# Allegro board IMX7D EVK BOARD REV D_160314.brd (continued)
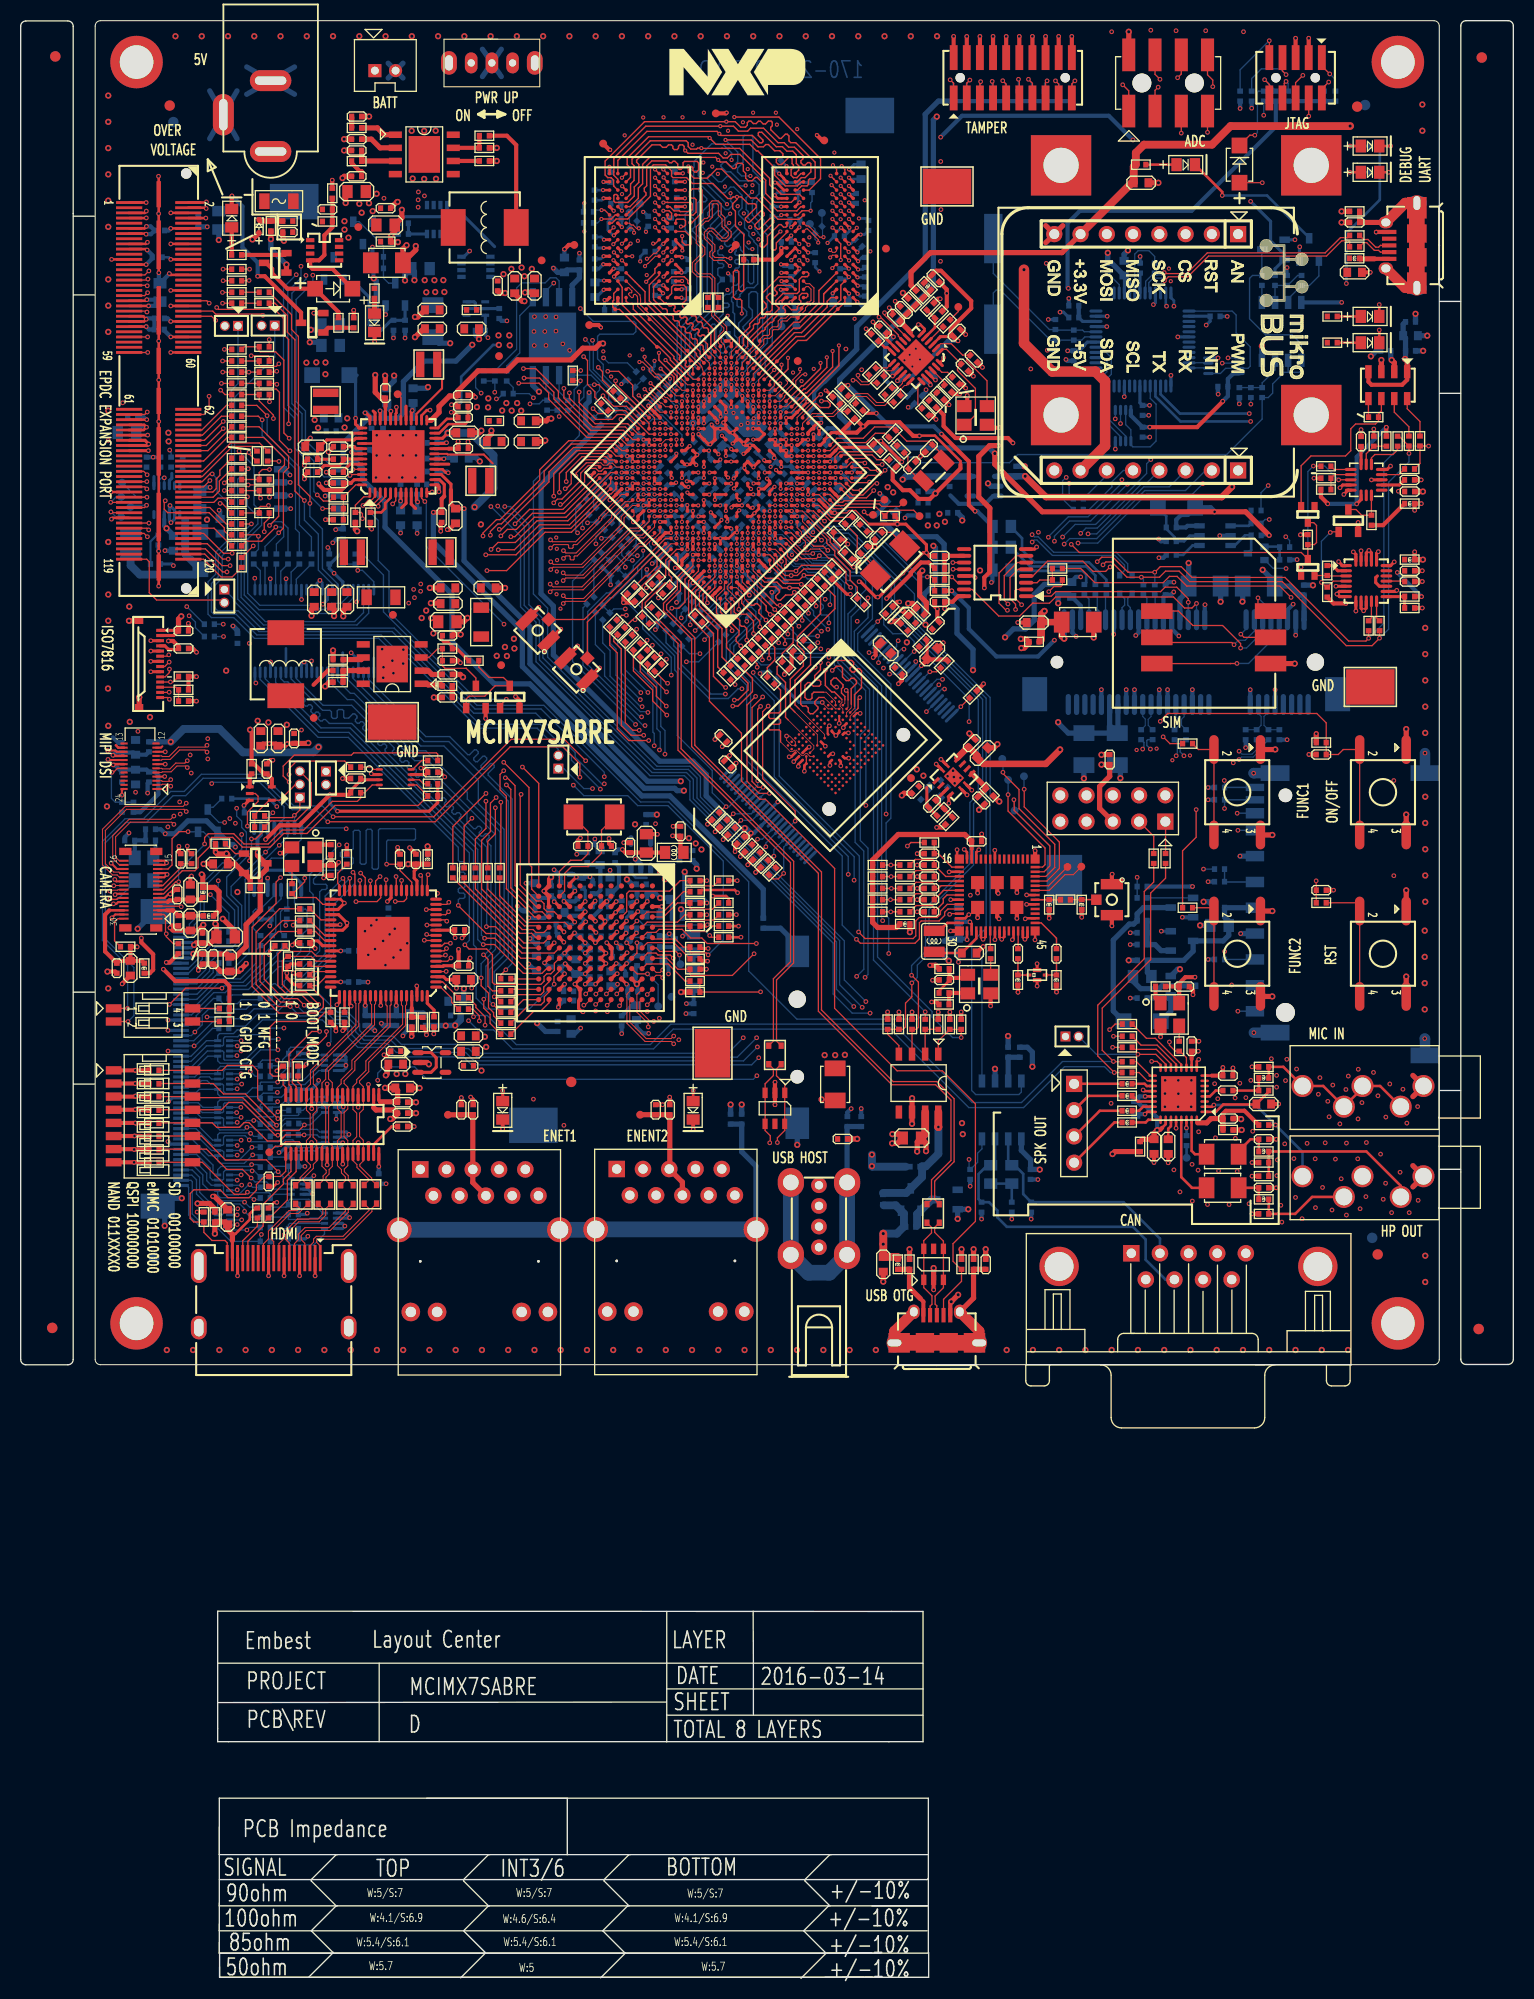
[diagram p0: board, top side]
## Footprints (pads in the part's own frame, mm; a bottom-side part is the same pattern mirrored in y, then rotated) (continued)
BGADDR96P8B90X130
  round 0.356 smd: A1(-3.2,6) A2(-2.4,6) A3(-1.6,6) A7(1.6,6) A8(2.4,6) A9(3.2,6) B1(-3.2,5.2) B2(-2.4,5.2) B3(-1.6,5.2) B7(1.6,5.2) B8(2.4,5.2) B9(3.2,5.2) C1(-3.2,4.4) C2(-2.4,4.4) C3(-1.6,4.4) C7(1.6,4.4) C8(2.4,4.4) C9(3.2,4.4) D1(-3.2,3.6) D2(-2.4,3.6) D3(-1.6,3.6) D7(1.6,3.6) D8(2.4,3.6) D9(3.2,3.6) E1(-3.2,2.8) E2(-2.4,2.8) E3(-1.6,2.8) E7(1.6,2.8) E8(2.4,2.8) E9(3.2,2.8) F1(-3.2,2) F2(-2.4,2) F3(-1.6,2) F7(1.6,2) F8(2.4,2) F9(3.2,2) G1(-3.2,1.2) G2(-2.4,1.2) G3(-1.6,1.2) G7(1.6,1.2) G8(2.4,1.2) G9(3.2,1.2) H1(-3.2,0.4) H2(-2.4,0.4) H3(-1.6,0.4) H7(1.6,0.4) H8(2.4,0.4) H9(3.2,0.4) J1(-3.2,-0.4) J2(-2.4,-0.4) J3(-1.6,-0.4) J7(1.6,-0.4) J8(2.4,-0.4) J9(3.2,-0.4) K1(-3.2,-1.2) K2(-2.4,-1.2) K3(-1.6,-1.2) K7(1.6,-1.2) K8(2.4,-1.2) K9(3.2,-1.2) L1(-3.2,-2) L2(-2.4,-2) L3(-1.6,-2) L7(1.6,-2) L8(2.4,-2) L9(3.2,-2) M1(-3.2,-2.8) M2(-2.4,-2.8) M3(-1.6,-2.8) M7(1.6,-2.8) M8(2.4,-2.8) M9(3.2,-2.8) N1(-3.2,-3.6) N2(-2.4,-3.6) N3(-1.6,-3.6) N7(1.6,-3.6) N8(2.4,-3.6) N9(3.2,-3.6) P1(-3.2,-4.4) P2(-2.4,-4.4) P3(-1.6,-4.4) P7(1.6,-4.4) P8(2.4,-4.4) P9(3.2,-4.4) R1(-3.2,-5.2) R2(-2.4,-5.2) R3(-1.6,-5.2) R7(1.6,-5.2) R8(2.4,-5.2) R9(3.2,-5.2) T1(-3.2,-6) T2(-2.4,-6) T3(-1.6,-6) T7(1.6,-6) T8(2.4,-6) T9(3.2,-6)
C35X28
  rect 1.524x2.032 smd: 1(-1.55,0) 2(1.55,0)
C0402
  rect 0.508x0.559 smd: 1(-0.483,0) 2(0.483,0)
C0603
  rect 0.762x0.889 smd: 1(-0.711,0) 2(0.711,0)
C0805
  rect 1.016x1.27 smd: 1(-0.889,0) 2(0.889,0)
CKS4B14X20W
  rect 0.635x0.508 smd: 1(-0.9,0.6) 2(-0.9,-0.6) 3(0.9,-0.6) 4(0.9,0.6)
CON2B60X50P20
  rect 1.27x1.27 hole 0.762: 1(2,0)
  round 1.27 hole 0.762: 2(0,0)
CONS120_8_2B413X73P5
  round 1.016 hole 1.016 unplated: (-20.06,2.66) (20.07,2.66)
  rect 0.279x2.54 smd: 1(-17.25,-2.86) 2(-17.25,2.86) 3(-16.75,-2.86) 4(-16.75,2.86) 5(-16.25,-2.86) 6(-16.25,2.86) 7(-15.75,-2.86) 8(-15.75,2.86) 9(-15.25,-2.86) 10(-15.25,2.86) 11(-14.75,-2.86) 12(-14.75,2.86) 13(-14.25,-2.86) 14(-14.25,2.86) 15(-13.75,-2.86) 16(-13.75,2.86) 17(-13.25,-2.86) 18(-13.25,2.86) 19(-12.75,-2.86) 20(-12.75,2.86) 21(-12.25,-2.86) 22(-12.25,2.86) 23(-11.75,-2.86) 24(-11.75,2.86) 25(-11.25,-2.86) 26(-11.25,2.86) 27(-10.75,-2.86) 28(-10.75,2.86) 29(-10.25,-2.86) 30(-10.25,2.86) 31(-9.75,-2.86) 32(-9.75,2.86) 33(-9.25,-2.86) 34(-9.25,2.86) 35(-8.75,-2.86) 36(-8.75,2.86) 37(-8.25,-2.86) 38(-8.25,2.86) 39(-7.75,-2.86) 40(-7.75,2.86) 41(-7.25,-2.86) 42(-7.25,2.86) 43(-6.75,-2.86) 44(-6.75,2.86) 45(-6.25,-2.86) 46(-6.25,2.86) 47(-5.75,-2.86) 48(-5.75,2.86) 49(-5.25,-2.86) 50(-5.25,2.86) 51(-4.75,-2.86) 52(-4.75,2.86) 53(-4.25,-2.86) 54(-4.25,2.86) 55(-3.75,-2.86) 56(-3.75,2.86) 57(-3.25,-2.86) 58(-3.25,2.86) 59(-2.75,-2.86) 60(-2.75,2.86) 61(2.75,-2.86) 62(2.75,2.86) 63(3.25,-2.86) 64(3.25,2.86) 65(3.75,-2.86) 66(3.75,2.86) 67(4.25,-2.86) 68(4.25,2.86) 69(4.75,-2.86) 70(4.75,2.86) 71(5.25,-2.86) 72(5.25,2.86) 73(5.75,-2.86) 74(5.75,2.86) 75(6.25,-2.86) 76(6.25,2.86) 77(6.75,-2.86) 78(6.75,2.86) 79(7.25,-2.86) 80(7.25,2.86) 81(7.75,-2.86) 82(7.75,2.86) 83(8.25,-2.86) 84(8.25,2.86) 85(8.75,-2.86) 86(8.75,2.86) 87(9.25,-2.86) 88(9.25,2.86) 89(9.75,-2.86) 90(9.75,2.86) 91(10.25,-2.86) 92(10.25,2.86) 93(10.75,-2.86) 94(10.75,2.86) 95(11.25,-2.86) 96(11.25,2.86) 97(11.75,-2.86) 98(11.75,2.86) 99(12.25,-2.86) 100(12.25,2.86) 101(12.75,-2.86) 102(12.75,2.86) 103(13.25,-2.86) 104(13.25,2.86) 105(13.75,-2.86) 106(13.75,2.86) 107(14.25,-2.86) 108(14.25,2.86) 109(14.75,-2.86) 110(14.75,2.86) 111(15.25,-2.86) 112(15.25,2.86) 113(15.75,-2.86) 114(15.75,2.86) 115(16.25,-2.86) 116(16.25,2.86) 117(16.75,-2.86) 118(16.75,2.86) 119(17.25,-2.86) 120(17.25,2.86)
  rect 2.54x0.432 smd: SH1(-18.055,0) SH4(-1.935,0) SH5(1.935,0) SH8(18.055,0)
  rect 4.699x0.432 smd: SH2(-13.17,0) SH3(-6.82,0) SH6(6.82,0) SH7(13.17,0)
D0402
  rect 0.508x0.559 smd: 1(-0.483,0) 2(0.483,0)
DB2M9_2
  rect 1.6x1.6 hole 0.914: 1(5.537,0)
  round 1.6 hole 0.914: 2(2.769,0) 3(0,0) 4(-2.769,0) 5(-5.537,0) 6(4.14,2.54) 7(1.372,2.54) 8(-1.397,2.54) 9(-4.166,2.54)
  round 3.81 hole 2.794: 10(12.522,1.27) 11(-12.5,1.27)
DCJ140X90P3
  oval 4.013x2.032 hole 3.048x0.813: 1(0,6.858) 2(0,0)
  oval 2.032x4.013 hole 0.813x3.048: 3(4.572,3.302)
DCK5FN
  rect 0.305x0.762 smd: 1(-0.65,-1.067) 2(0,-1.067) 3(0.65,-1.067) 4(0.65,1.067) 5(-0.65,1.067)
DCU8P5R
  oval 1.016x0.305 smd: 1(-1.5,0.75) 2(-1.5,0.25) 3(-1.5,-0.25) 4(-1.5,-0.75) 5(1.5,-0.75) 6(1.5,-0.25) 7(1.5,0.25) 8(1.5,0.75)
DFN8FR
  rect 0.406x0.813 smd: 1(-0.975,-1.4) 2(-0.325,-1.4) 3(0.325,-1.4) 4(0.975,-1.4) 5(0.975,1.4) 6(0.325,1.4) 7(-0.325,1.4) 8(-0.975,1.4)
F1206
  rect 1.016x1.524 smd: 1(-1.397,0) 2(1.397,0)
FPC2X12_0P4
  rect 0.203x0.711 smd: 1(-2.2,-1.546) 2(-1.8,-1.546) 3(-1.4,-1.546) 4(-1,-1.546) 5(-0.6,-1.546) 6(-0.2,-1.546) 7(0.2,-1.546) 8(0.6,-1.546) 9(1,-1.546) 10(1.4,-1.546) 11(1.8,-1.546) 12(2.2,-1.546) 13(2.2,1.546) 14(1.8,1.546) 15(1.4,1.546) 16(1,1.546) 17(0.6,1.546) 18(0.2,1.546) 19(-0.2,1.546) 20(-0.6,1.546) 21(-1,1.546) 22(-1.4,1.546) 23(-1.8,1.546) 24(-2.2,1.546)
FPC2X15_4P4_A
  rect 0.203x0.914 smd: 1(-2.8,-1.637) 2(-2.4,-1.637) 3(-2,-1.637) 4(-1.6,-1.637) 5(-1.2,-1.637) 6(-0.8,-1.637) 7(-0.4,-1.637) 8(0,-1.637) 9(0.4,-1.637) 10(0.8,-1.637) 11(1.2,-1.637) 12(1.6,-1.637) 13(2,-1.637) 14(2.4,-1.637) 15(2.8,-1.637) 16(2.8,1.637) 17(2.4,1.637) 18(2,1.637) 19(1.6,1.637) 20(1.2,1.637) 21(0.8,1.637) 22(0.4,1.637) 23(0,1.637) 24(-0.4,1.637) 25(-0.8,1.637) 26(-1.2,1.637) 27(-1.6,1.637) 28(-2,1.637) 29(-2.4,1.637) 30(-2.8,1.637)
  rect 0.711x1.194 smd: 31(-3.7,-1.498) 32(3.7,-1.498) 33(3.7,1.498) 34(-3.7,1.498)
FPC14_2W23P5
  rect 0.762x0.305 smd: 1(0,0) 2(0,-0.5) 3(0,-1) 4(0,-1.5) 5(0,-2) 6(0,-2.5) 7(0,-3) 8(0,-3.5) 9(0,-4) 10(0,-4.5) 11(0,-5) 12(0,-5.5) 13(0,-6) 14(0,-6.5)
  rect 0.813x0.61 smd: 15(-2.025,-7.43) 16(-2.025,0.92)
FPC50_2P5
  rect 1.524x0.305 smd: 1(0,12.25) 2(0,11.75) 3(0,11.25) 4(0,10.75) 5(0,10.25) 6(0,9.75) 7(0,9.25) 8(0,8.75) 9(0,8.25) 10(0,7.75) 11(0,7.25) 12(0,6.75) 13(0,6.25) 14(0,5.75) 15(0,5.25) 16(0,4.75) 17(0,4.25) 18(0,3.75) 19(0,3.25) 20(0,2.75) 21(0,2.25) 22(0,1.75) 23(0,1.25) 24(0,0.75) 25(0,0.25) 26(0,-0.25) 27(0,-0.75) 28(0,-1.25) 29(0,-1.75) 30(0,-2.25) 31(0,-2.75) 32(0,-3.25) 33(0,-3.75) 34(0,-4.25) 35(0,-4.75) 36(0,-5.25) 37(0,-5.75) 38(0,-6.25) 39(0,-6.75) 40(0,-7.25) 41(0,-7.75) 42(0,-8.25) 43(0,-8.75) 44(0,-9.25) 45(0,-9.75) 46(0,-10.25) 47(0,-10.75) 48(0,-11.25) 49(0,-11.75) 50(0,-12.25)
  rect 3.302x2.413 smd: 51(-2.25,14.25) 52(-2.25,-14.25)
H2J
  rect 0.965x0.965 hole 0.711: 1(-0.635,0)
  round 0.965 hole 0.711: 2(0.635,0)
H2X5MY
  rect 1.575x1.575 hole 0.965: 1(-5.08,1.27)
  round 1.575 hole 0.965: 2(-5.08,-1.27) 3(-2.54,1.27) 4(-2.54,-1.27) 5(0,1.27) 6(0,-1.27) 7(2.54,1.27) 8(2.54,-1.27) 9(5.08,1.27) 10(5.08,-1.27)
H3J
  rect 0.965x0.965 hole 0.711: 1(-1.27,0)
  round 0.965 hole 0.711: 2(0,0) 3(1.27,0)
H4M
  rect 1.575x1.575 hole 0.965: 1(-3.81,0)
  round 1.575 hole 0.965: 2(-1.27,0) 3(1.27,0) 4(3.81,0)
H8M
  rect 1.575x1.575 hole 0.965: 1(-8.89,0)
  round 1.575 hole 0.965: 2(-6.35,0) 3(-3.81,0) 4(-1.27,0) 5(1.27,0) 6(3.81,0) 7(6.35,0) 8(8.89,0)
HDMIS19_4P5
  rect 0.279x2.54 smd: 1(4.5,10.31) 2(4,10.31) 3(3.5,10.31) 4(3,10.31) 5(2.5,10.31) 6(2,10.31) 7(1.5,10.31) 8(1,10.31) 9(0.5,10.31) 10(0,10.31) 11(-0.5,10.31) 12(-1,10.31) 13(-1.5,10.31) 14(-2,10.31) 15(-2.5,10.31) 16(-3,10.31) 17(-3.5,10.31) 18(-4,10.31) 19(-4.5,10.31)
  oval 1.524x3.302 hole 0.914x2.692: 20(7.25,9.55) 21(-7.25,9.55)
  oval 1.524x2.286 hole 0.914x1.702: 22(7.25,3.59) 23(-7.25,3.59)
HS2X4_2MZ
  round 1.829 hole 1.829 unplated: (-2.54,0) (2.54,0)
  rect 1.27x3.175 smd: 1(-3.81,-2.718) 2(-3.81,2.718) 3(-1.27,-2.718) 4(-1.27,2.718) 5(1.27,-2.718) 6(1.27,2.718) 7(3.81,-2.718) 8(3.81,2.718)
HS2X5_2JZ
  round 0.914 hole 0.914 unplated: (-1.905,0) (1.905,0)
  rect 0.762x2.413 smd: 1(-2.54,-1.95) 2(-2.54,1.95) 3(-1.27,-1.95) 4(-1.27,1.95) 5(0,-1.95) 6(0,1.95) 7(1.27,-1.95) 8(1.27,1.95) 9(2.54,-1.95) 10(2.54,1.95)
HS2X10_2JZ
  round 0.914 hole 0.914 unplated: (-5.08,0) (5.08,0)
  rect 0.762x2.413 smd: 1(-5.715,-1.95) 2(-5.715,1.95) 3(-4.445,-1.95) 4(-4.445,1.95) 5(-3.175,-1.95) 6(-3.175,1.95) 7(-1.905,-1.95) 8(-1.905,1.95) 9(-0.635,-1.95) 10(-0.635,1.95) 11(0.635,-1.95) 12(0.635,1.95) 13(1.905,-1.95) 14(1.905,1.95) 15(3.175,-1.95) 16(3.175,1.95) 17(4.445,-1.95) 18(4.445,1.95) 19(5.715,-1.95) 20(5.715,1.95)
L25X20
  rect 0.813x2.489 smd: 1(0,0) 2(1.65,0)
L66X66
  rect 3.556x2.413 smd: 1(0,3.048) 2(0,-3.048)
L0402
  rect 0.508x0.559 smd: 1(-0.483,0) 2(0.483,0)
L0805
  rect 1.016x1.27 smd: 1(-0.889,0) 2(0.889,0)
L1008
  rect 1.016x2.032 smd: 1(-1.016,0) 2(1.016,0)
LED0805
  rect 1.016x1.27 smd: 1(-0.889,0) 2(0.889,0)
LFB0603_4_3
  rect 0.813x0.406 smd: 1(0,0.485) 3(0,-0.485)
  rect 0.508x0.305 smd: 2(0.8,0) 4(-0.8,0)
LGA8IR
  rect 1.27x0.635 smd: 1(-1.3,1.875) 2(-1.3,0.625) 3(-1.3,-0.625) 4(-1.3,-1.875) 5(1.3,-1.875) 6(1.3,-0.625) 7(1.3,0.625) 8(1.3,1.875)
MHS230D134
  rect 5.842x5.842 hole 3.404: 1(0,0)
MODULE58_6P45
  rect 0.889x0.889 smd: 1(-3.475,3.663) 16(-3.475,-3.663) 30(3.475,-3.663) 45(3.475,3.663)
  rect 0.889x0.254 smd: 2(-3.475,2.925) 3(-3.475,2.475) 4(-3.475,2.025) 5(-3.475,1.575) 6(-3.475,1.125) 7(-3.475,0.675) 8(-3.475,0.225) 9(-3.475,-0.225) 10(-3.475,-0.675) 11(-3.475,-1.125) 12(-3.475,-1.575) 13(-3.475,-2.025) 14(-3.475,-2.475) 15(-3.475,-2.925) 31(3.475,-2.925) 32(3.475,-2.475) 33(3.475,-2.025) 34(3.475,-1.575) 35(3.475,-1.125) 36(3.475,-0.675) 37(3.475,-0.225) 38(3.475,0.225) 39(3.475,0.675) 40(3.475,1.125) 41(3.475,1.575) 42(3.475,2.025) 43(3.475,2.475) 44(3.475,2.925)
  rect 0.254x0.889 smd: 17(-2.7,-3.663) 18(-2.25,-3.663) 19(-1.8,-3.663) 20(-1.35,-3.663) 21(-0.9,-3.663) 22(-0.45,-3.663) 23(0,-3.663) 24(0.45,-3.663) 25(0.9,-3.663) 26(1.35,-3.663) 27(1.8,-3.663) 28(2.25,-3.663) 29(2.7,-3.663) 46(2.7,3.663) 47(2.25,3.663) 48(1.8,3.663) 49(1.35,3.663) 50(0.9,3.663) 51(0.45,3.663) 52(0,3.663) 53(-0.45,3.663) 54(-0.9,3.663) 55(-1.35,3.663) 56(-1.8,3.663) 57(-2.25,3.663) 58(-2.7,3.663)
  rect 1.27x1.27 smd: 59(-1.2,1.9) 60(-1.2,0) 61(-1.2,-1.9) 62(1.2,-1.9) 63(1.2,0) 64(1.2,1.9)
PCIEMINIS52_2_2P8
  rect 2.413x3.302 smd: (-2.15,-3.1) (27.15,-3.1)
  round 1.676 hole 1.676 unplated: (0,0)
  round 1.219 hole 1.219 unplated: (25,0)
  oval 0.508x2.032 smd: 1(0.7,-4.1) 2(1.1,4.1) 3(1.5,-4.1) 4(1.9,4.1) 5(2.3,-4.1) 6(2.7,4.1) 7(3.1,-4.1) 8(3.5,4.1) 9(3.9,-4.1) 10(4.3,4.1) 11(4.7,-4.1) 12(5.1,4.1) 13(5.5,-4.1) 14(5.9,4.1) 15(6.3,-4.1) 16(6.7,4.1) 17(10.3,-4.1) 18(10.7,4.1) 19(11.1,-4.1) 20(11.5,4.1) 21(11.9,-4.1) 22(12.3,4.1) 23(12.7,-4.1) 24(13.1,4.1) 25(13.5,-4.1) 26(13.9,4.1) 27(14.3,-4.1) 28(14.7,4.1) 29(15.1,-4.1) 30(15.5,4.1) 31(15.9,-4.1) 32(16.3,4.1) 33(16.7,-4.1) 34(17.1,4.1) 35(17.5,-4.1) 36(17.9,4.1) 37(18.3,-4.1) 38(18.7,4.1) 39(19.1,-4.1) 40(19.5,4.1) 41(19.9,-4.1) 42(20.3,4.1) 43(20.7,-4.1) 44(21.1,4.1) 45(21.5,-4.1) 46(21.9,4.1) 47(22.3,-4.1) 48(22.7,4.1) 49(23.1,-4.1) 50(23.5,4.1) 51(23.9,-4.1) 52(24.3,4.1)
QFN8_4_1FR
  rect 0.813x0.305 smd: 1(-1.475,0.975) 2(-1.475,0.325) 3(-1.475,-0.325) 4(-1.475,-0.975) 5(1.475,-0.975) 6(1.475,-0.325) 7(1.475,0.325) 8(1.475,0.975)
  rect 0.254x0.914 smd: 9(0.325,1.425) 10(-0.325,1.425) 11(-0.325,-1.425) 12(0.325,-1.425)
  rect 1.27x1.524 smd: 13(0,0)
QFN24_1P5M
  oval 1.016x0.305 smd: 1(-2,1.25) 2(-2,0.75) 3(-2,0.25) 4(-2,-0.25) 5(-2,-0.75) 6(-2,-1.25) 13(2,-1.25) 14(2,-0.75) 15(2,-0.25) 16(2,0.25) 17(2,0.75) 18(2,1.25)
  oval 0.305x1.016 smd: 7(-1.25,-2) 8(-0.75,-2) 9(-0.25,-2) 10(0.25,-2) 11(0.75,-2) 12(1.25,-2) 19(1.25,2) 20(0.75,2) 21(0.25,2) 22(-0.25,2) 23(-0.75,2) 24(-1.25,2)
  rect 2.54x2.54 smd: 25(0,0)
QFN32_1P5H
  oval 0.254x0.838 smd: 1(-1.751,-2.515) 2(-1.251,-2.515) 3(-0.751,-2.515) 4(-0.25,-2.515) 5(0.25,-2.515) 6(0.751,-2.515) 7(1.251,-2.515) 8(1.751,-2.515) 17(1.751,2.515) 18(1.251,2.515) 19(0.751,2.515) 20(0.25,2.515) 21(-0.25,2.515) 22(-0.751,2.515) 23(-1.251,2.515) 24(-1.751,2.515)
  oval 0.838x0.254 smd: 9(2.515,-1.751) 10(2.515,-1.251) 11(2.515,-0.751) 12(2.515,-0.25) 13(2.515,0.25) 14(2.515,0.751) 15(2.515,1.251) 16(2.515,1.751) 25(-2.515,1.751) 26(-2.515,1.251) 27(-2.515,0.751) 28(-2.515,0.25) 29(-2.515,-0.25) 30(-2.515,-0.751) 31(-2.515,-1.251) 32(-2.515,-1.751)
  rect 3.404x3.404 smd: 33(0,0)
QFN48_1P5B
  oval 1.016x0.279 smd: 1(-3.5,2.75) 2(-3.5,2.25) 3(-3.5,1.75) 4(-3.5,1.25) 5(-3.5,0.75) 6(-3.5,0.25) 7(-3.5,-0.25) 8(-3.5,-0.75) 9(-3.5,-1.25) 10(-3.5,-1.75) 11(-3.5,-2.25) 12(-3.5,-2.75) 25(3.5,-2.75) 26(3.5,-2.25) 27(3.5,-1.75) 28(3.5,-1.25) 29(3.5,-0.75) 30(3.5,-0.25) 31(3.5,0.25) 32(3.5,0.75) 33(3.5,1.25) 34(3.5,1.75) 35(3.5,2.25) 36(3.5,2.75)
  oval 0.279x1.016 smd: 13(-2.75,-3.5) 14(-2.25,-3.5) 15(-1.75,-3.5) 16(-1.25,-3.5) 17(-0.75,-3.5) 18(-0.25,-3.5) 19(0.25,-3.5) 20(0.75,-3.5) 21(1.25,-3.5) 22(1.75,-3.5) 23(2.25,-3.5) 24(2.75,-3.5) 37(2.75,3.5) 38(2.25,3.5) 39(1.75,3.5) 40(1.25,3.5) 41(0.75,3.5) 42(0.25,3.5) 43(-0.25,3.5) 44(-0.75,3.5) 45(-1.25,3.5) 46(-1.75,3.5) 47(-2.25,3.5) 48(-2.75,3.5)
  rect 5.08x5.08 smd: 49(0,0)
QFN72_1P5C
  oval 1.143x0.305 smd: 1(-5.1,4.25) 2(-5.1,3.75) 3(-5.1,3.25) 4(-5.1,2.75) 5(-5.1,2.25) 6(-5.1,1.75) 7(-5.1,1.25) 8(-5.1,0.75) 9(-5.1,0.25) 10(-5.1,-0.25) 11(-5.1,-0.75) 12(-5.1,-1.25) 13(-5.1,-1.75) 14(-5.1,-2.25) 15(-5.1,-2.75) 16(-5.1,-3.25) 17(-5.1,-3.75) 18(-5.1,-4.25) 37(5.1,-4.25) 38(5.1,-3.75) 39(5.1,-3.25) 40(5.1,-2.75) 41(5.1,-2.25) 42(5.1,-1.75) 43(5.1,-1.25) 44(5.1,-0.75) 45(5.1,-0.25) 46(5.1,0.25) 47(5.1,0.75) 48(5.1,1.25) 49(5.1,1.75) 50(5.1,2.25) 51(5.1,2.75) 52(5.1,3.25) 53(5.1,3.75) 54(5.1,4.25)
  oval 0.305x1.143 smd: 19(-4.25,-5.1) 20(-3.75,-5.1) 21(-3.25,-5.1) 22(-2.75,-5.1) 23(-2.25,-5.1) 24(-1.75,-5.1) 25(-1.25,-5.1) 26(-0.75,-5.1) 27(-0.25,-5.1) 28(0.25,-5.1) 29(0.75,-5.1) 30(1.25,-5.1) 31(1.75,-5.1) 32(2.25,-5.1) 33(2.75,-5.1) 34(3.25,-5.1) 35(3.75,-5.1) 36(4.25,-5.1) 55(4.25,5.1) 56(3.75,5.1) 57(3.25,5.1) 58(2.75,5.1) 59(2.25,5.1) 60(1.75,5.1) 61(1.25,5.1) 62(0.75,5.1) 63(0.25,5.1) 64(-0.25,5.1) 65(-0.75,5.1) 66(-1.25,5.1) 67(-1.75,5.1) 68(-2.25,5.1) 69(-2.75,5.1) 70(-3.25,5.1) 71(-3.75,5.1) 72(-4.25,5.1)
  rect 5.08x5.08 smd: 73(0,0)
QFNASY16P5R
  oval 1.143x0.305 smd: 1(-1.5,1) 2(-1.5,0.5) 3(-1.5,0) 4(-1.5,-0.5) 5(-1.5,-1) 9(1.5,-1) 10(1.5,-0.5) 11(1.5,0) 12(1.5,0.5) 13(1.5,1)
  oval 0.305x1.143 smd: 6(-0.5,-1.5) 7(0,-1.5) 8(0.5,-1.5) 14(0.5,1.5) 15(0,1.5) 16(-0.5,1.5)
QFNASY24P5M
  oval 1.143x0.305 smd: 1(-1.95,1.5) 2(-1.95,1) 3(-1.95,0.5) 4(-1.95,0) 5(-1.95,-0.5) 6(-1.95,-1) 7(-1.95,-1.5) 13(1.95,-1.5) 14(1.95,-1) 15(1.95,-0.5) 16(1.95,0) 17(1.95,0.5) 18(1.95,1) 19(1.95,1.5)
  oval 0.305x1.143 smd: 8(-1,-1.95) 9(-0.5,-1.95) 10(0,-1.95) 11(0.5,-1.95) 12(1,-1.95) 20(1,1.95) 21(0.5,1.95) 22(0,1.95) 23(-0.5,1.95) 24(-1,1.95)
QFP48P5J
  oval 1.27x0.305 smd: 1(-4.5,2.75) 2(-4.5,2.25) 3(-4.5,1.75) 4(-4.5,1.25) 5(-4.5,0.75) 6(-4.5,0.25) 7(-4.5,-0.25) 8(-4.5,-0.75) 9(-4.5,-1.25) 10(-4.5,-1.75) 11(-4.5,-2.25) 12(-4.5,-2.75) 25(4.5,-2.75) 26(4.5,-2.25) 27(4.5,-1.75) 28(4.5,-1.25) 29(4.5,-0.75) 30(4.5,-0.25) 31(4.5,0.25) 32(4.5,0.75) 33(4.5,1.25) 34(4.5,1.75) 35(4.5,2.25) 36(4.5,2.75)
  oval 0.305x1.27 smd: 13(-2.75,-4.5) 14(-2.25,-4.5) 15(-1.75,-4.5) 16(-1.25,-4.5) 17(-0.75,-4.5) 18(-0.25,-4.5) 19(0.25,-4.5) 20(0.75,-4.5) 21(1.25,-4.5) 22(1.75,-4.5) 23(2.25,-4.5) 24(2.75,-4.5) 37(2.75,4.5) 38(2.25,4.5) 39(1.75,4.5) 40(1.25,4.5) 41(0.75,4.5) 42(0.25,4.5) 43(-0.25,4.5) 44(-0.75,4.5) 45(-1.25,4.5) 46(-1.75,4.5) 47(-2.25,4.5) 48(-2.75,4.5)
R0402
  rect 0.508x0.559 smd: 1(-0.483,0) 2(0.483,0)
R0603
  rect 0.762x0.889 smd: 1(-0.711,0) 2(0.711,0)
R0805
  rect 1.016x1.27 smd: 1(-0.889,0) 2(0.889,0)
R1206
  rect 1.016x1.524 smd: 1(-1.397,0) 2(1.397,0)
RJ45_48F-01GY_P14_4
  round 0.254 hole 3.2 unplated: (-5.715,0) (5.715,0)
  rect 1.6x1.6 hole 0.914: 1(-5.715,8.89)
  round 1.6 hole 0.914: 2(-4.445,6.35) 3(-3.175,8.89) 4(-1.905,6.35) 5(-0.635,8.89) 6(0.635,6.35) 7(1.905,8.89) 8(3.175,6.35) 9(4.445,8.89) 10(5.715,6.35)
  round 1.803 hole 1.016: 11(-6.63,-4.9) 12(-4.09,-4.9) 13(4.09,-4.9) 14(6.63,-4.9)
  round 2.413 hole 1.702: 15(-7.75,3.05) 16(7.75,3.05)
SD11_6B280X180
  round 1.321 hole 1.321 unplated: (-11.5,-2.95)
  round 1.829 hole 1.829 unplated: (9.5,-2.95)
  rect 1.016x1.778 smd: 1(6.87,0) 2(4.37,0) 3(1.87,0) 4(-0.63,0) 5(-3.12,0) 6(-5.62,0) 7(-8.12,0) 8(-9.77,0) 9(9.38,0)
  rect 0.711x1.778 smd: 10(-11.07,0) 11(-12.27,0)
  rect 1.524x2.794 smd: 12(-13.65,-1.95) 13(11.45,-1.95) 14(-13.65,-16.45) 15(13.65,-16.45)
SIMCARD6B163X157
  rect 1.524x3.048 smd: 1(5.08,-11) 2(2.54,-11) 3(0,-11) 4(5.08,0) 5(2.54,0) 6(0,0)
SOD123
  rect 1.524x1.524 smd: 1(-1.8,0) 2(1.8,0)
SOD523
  rect 0.406x0.508 smd: 1(0,0.65) 2(0,-0.65)
SOIC8_1JG
  rect 0.61x1.778 smd: 1(-1.905,-3.772) 2(-0.635,-3.772) 3(0.635,-3.772) 4(1.905,-3.772) 5(1.905,3.772) 6(0.635,3.772) 7(-0.635,3.772) 8(-1.905,3.772)
  rect 4.572x4.572 smd: 9(0,0)
SOIC8JA
  rect 0.635x1.27 smd: 1(-1.905,-2.8) 2(-0.635,-2.8) 3(0.635,-2.8) 4(1.905,-2.8) 5(1.905,2.8) 6(0.635,2.8) 7(-0.635,2.8) 8(-1.905,2.8)
SOP8_1JA
  rect 0.635x1.27 smd: 1(-1.905,-2.8) 2(-0.635,-2.8) 3(0.635,-2.8) 4(1.905,-2.8) 5(1.905,2.8) 6(0.635,2.8) 7(-0.635,2.8) 8(-1.905,2.8)
  rect 3.556x3.048 smd: 9(0,0)
SOT23_5
  oval 0.508x1.143 smd: 1(-0.95,-1.325) 2(0,-1.325) 3(0.95,-1.325) 4(0.95,1.325) 5(-0.95,1.325)
SOT23_6TR
  rect 1.016x0.508 smd: 1(-1.5,0.95) 2(-1.5,0) 3(-1.5,-0.95) 4(1.5,-0.95) 5(1.5,0) 6(1.5,0.95)
SOT23_123
  rect 0.635x1.016 smd: 1(-0.94,-1.079) 2(0.94,-1.079) 3(0,1.079)
SOT323
  rect 0.61x0.813 smd: 1(-0.65,-0.8) 2(0.65,-0.8) 3(0,0.8)
SOT363_6
  rect 0.305x0.762 smd: 1(-0.65,-0.9) 2(0,-0.9) 3(0.65,-0.9) 4(0.65,0.9) 5(0,0.9) 6(-0.65,0.9)
SSOP8CR
  oval 0.711x0.254 smd: 1(-1.544,0.75) 2(-1.544,0.25) 3(-1.544,-0.25) 4(-1.544,-0.75) 5(1.544,-0.75) 6(1.544,-0.25) 7(1.544,0.25) 8(1.544,0.75)
SW5B87X45S
  oval 1.219x2.032 hole 0.711: 1(-2,0) 2(0,0) 3(2,0)
  oval 1.524x2.286 hole 0.762x1.473: 4(4.15,0) 5(-4.15,0)
SWS4B60S
  oval 2.794x0.914 smd: 1(-4.131,2.25) 2(-4.131,-2.25) 3(4.131,2.25) 4(4.131,-2.25)
SWS4JV
  rect 0.813x1.524 smd: 1(-1.905,-3.81) 2(-0.635,-3.81) 3(-0.635,3.81) 4(-1.905,3.81)
SWS16JV
  rect 0.813x1.524 smd: 1(-4.445,-3.81) 2(-3.175,-3.81) 3(-1.905,-3.81) 4(-0.635,-3.81) 5(0.635,-3.81) 6(1.905,-3.81) 7(3.175,-3.81) 8(4.445,-3.81) 9(4.445,3.81) 10(3.175,3.81) 11(1.905,3.81) 12(0.635,3.81) 13(-0.635,3.81) 14(-1.905,3.81) 15(-3.175,3.81) 16(-4.445,3.81)
TEST_PIN_TP107
  rect 4.699x3.429 smd: 1(0,0)
TP15
  round 0.381 smd: 1(0,0)
TP30
  round 0.762 smd: 1(0,0)
TSOP12P5R
  oval 0.889x0.305 smd: 1(-1.4,1.25) 2(-1.4,0.75) 3(-1.4,0.25) 4(-1.4,-0.25) 5(-1.4,-0.75) 6(-1.4,-1.25) 7(1.4,-1.25) 8(1.4,-0.75) 9(1.4,-0.25) 10(1.4,0.25) 11(1.4,0.75) 12(1.4,1.25)
TSOP48P5K_A
  round 1.321 hole 1.321 unplated: (-5.08,3.75) (5.08,3.75)
  oval 1.778x0.305 smd: 1(-9.689,5.75) 2(-9.689,5.25) 3(-9.689,4.75) 4(-9.689,4.25) 5(-9.689,3.75) 6(-9.689,3.25) 7(-9.689,2.75) 8(-9.689,2.25) 9(-9.689,1.75) 10(-9.689,1.25) 11(-9.689,0.75) 12(-9.689,0.25) 13(-9.689,-0.25) 14(-9.689,-0.75) 15(-9.689,-1.25) 16(-9.689,-1.75) 17(-9.689,-2.25) 18(-9.689,-2.75) 19(-9.689,-3.25) 20(-9.689,-3.75) 21(-9.689,-4.25) 22(-9.689,-4.75) 23(-9.689,-5.25) 24(-9.689,-5.75) 25(9.689,-5.75) 26(9.689,-5.25) 27(9.689,-4.75) 28(9.689,-4.25) 29(9.689,-3.75) 30(9.689,-3.25) 31(9.689,-2.75) 32(9.689,-2.25) 33(9.689,-1.75) 34(9.689,-1.25) 35(9.689,-0.75) 36(9.689,-0.25) 37(9.689,0.25) 38(9.689,0.75) 39(9.689,1.25) 40(9.689,1.75) 41(9.689,2.25) 42(9.689,2.75) 43(9.689,3.25) 44(9.689,3.75) 45(9.689,4.25) 46(9.689,4.75) 47(9.689,5.25) 48(9.689,5.75)
TSSOP16FA
  oval 1.397x0.381 smd: 1(-3,2.275) 2(-3,1.625) 3(-3,0.975) 4(-3,0.325) 5(-3,-0.325) 6(-3,-0.975) 7(-3,-1.625) 8(-3,-2.275) 9(3,-2.275) 10(3,-1.625) 11(3,-0.975) 12(3,-0.325) 13(3,0.325) 14(3,0.975) 15(3,1.625) 16(3,2.275)
TSSOP38P5A
  oval 1.397x0.305 smd: 1(-2.85,4.5) 2(-2.85,4) 3(-2.85,3.5) 4(-2.85,3) 5(-2.85,2.5) 6(-2.85,2) 7(-2.85,1.5) 8(-2.85,1) 9(-2.85,0.5) 10(-2.85,0) 11(-2.85,-0.5) 12(-2.85,-1) 13(-2.85,-1.5) 14(-2.85,-2) 15(-2.85,-2.5) 16(-2.85,-3) 17(-2.85,-3.5) 18(-2.85,-4) 19(-2.85,-4.5) 20(2.85,-4.5) 21(2.85,-4) 22(2.85,-3.5) 23(2.85,-3) 24(2.85,-2.5) 25(2.85,-2) 26(2.85,-1.5) 27(2.85,-1) 28(2.85,-0.5) 29(2.85,0) 30(2.85,0.5) 31(2.85,1) 32(2.85,1.5) 33(2.85,2) 34(2.85,2.5) 35(2.85,3) 36(2.85,3.5) 37(2.85,4) 38(2.85,4.5)
